# Altium PCB 2-quilter-output.PcbDoc (part 8 of 26)
Units mil, origin at the board's own origin, x right, y up, seen from the top; angles counter-clockwise.
Board outline 4130.55 x 4250 mil, 8 copper layers (L1, Ground L2, L3, Power L4, Ground L5, L6, Ground L7, L8), stack 62.985 mil thick; 591 components, 494 nets, 2245 pads, 1508 vias.
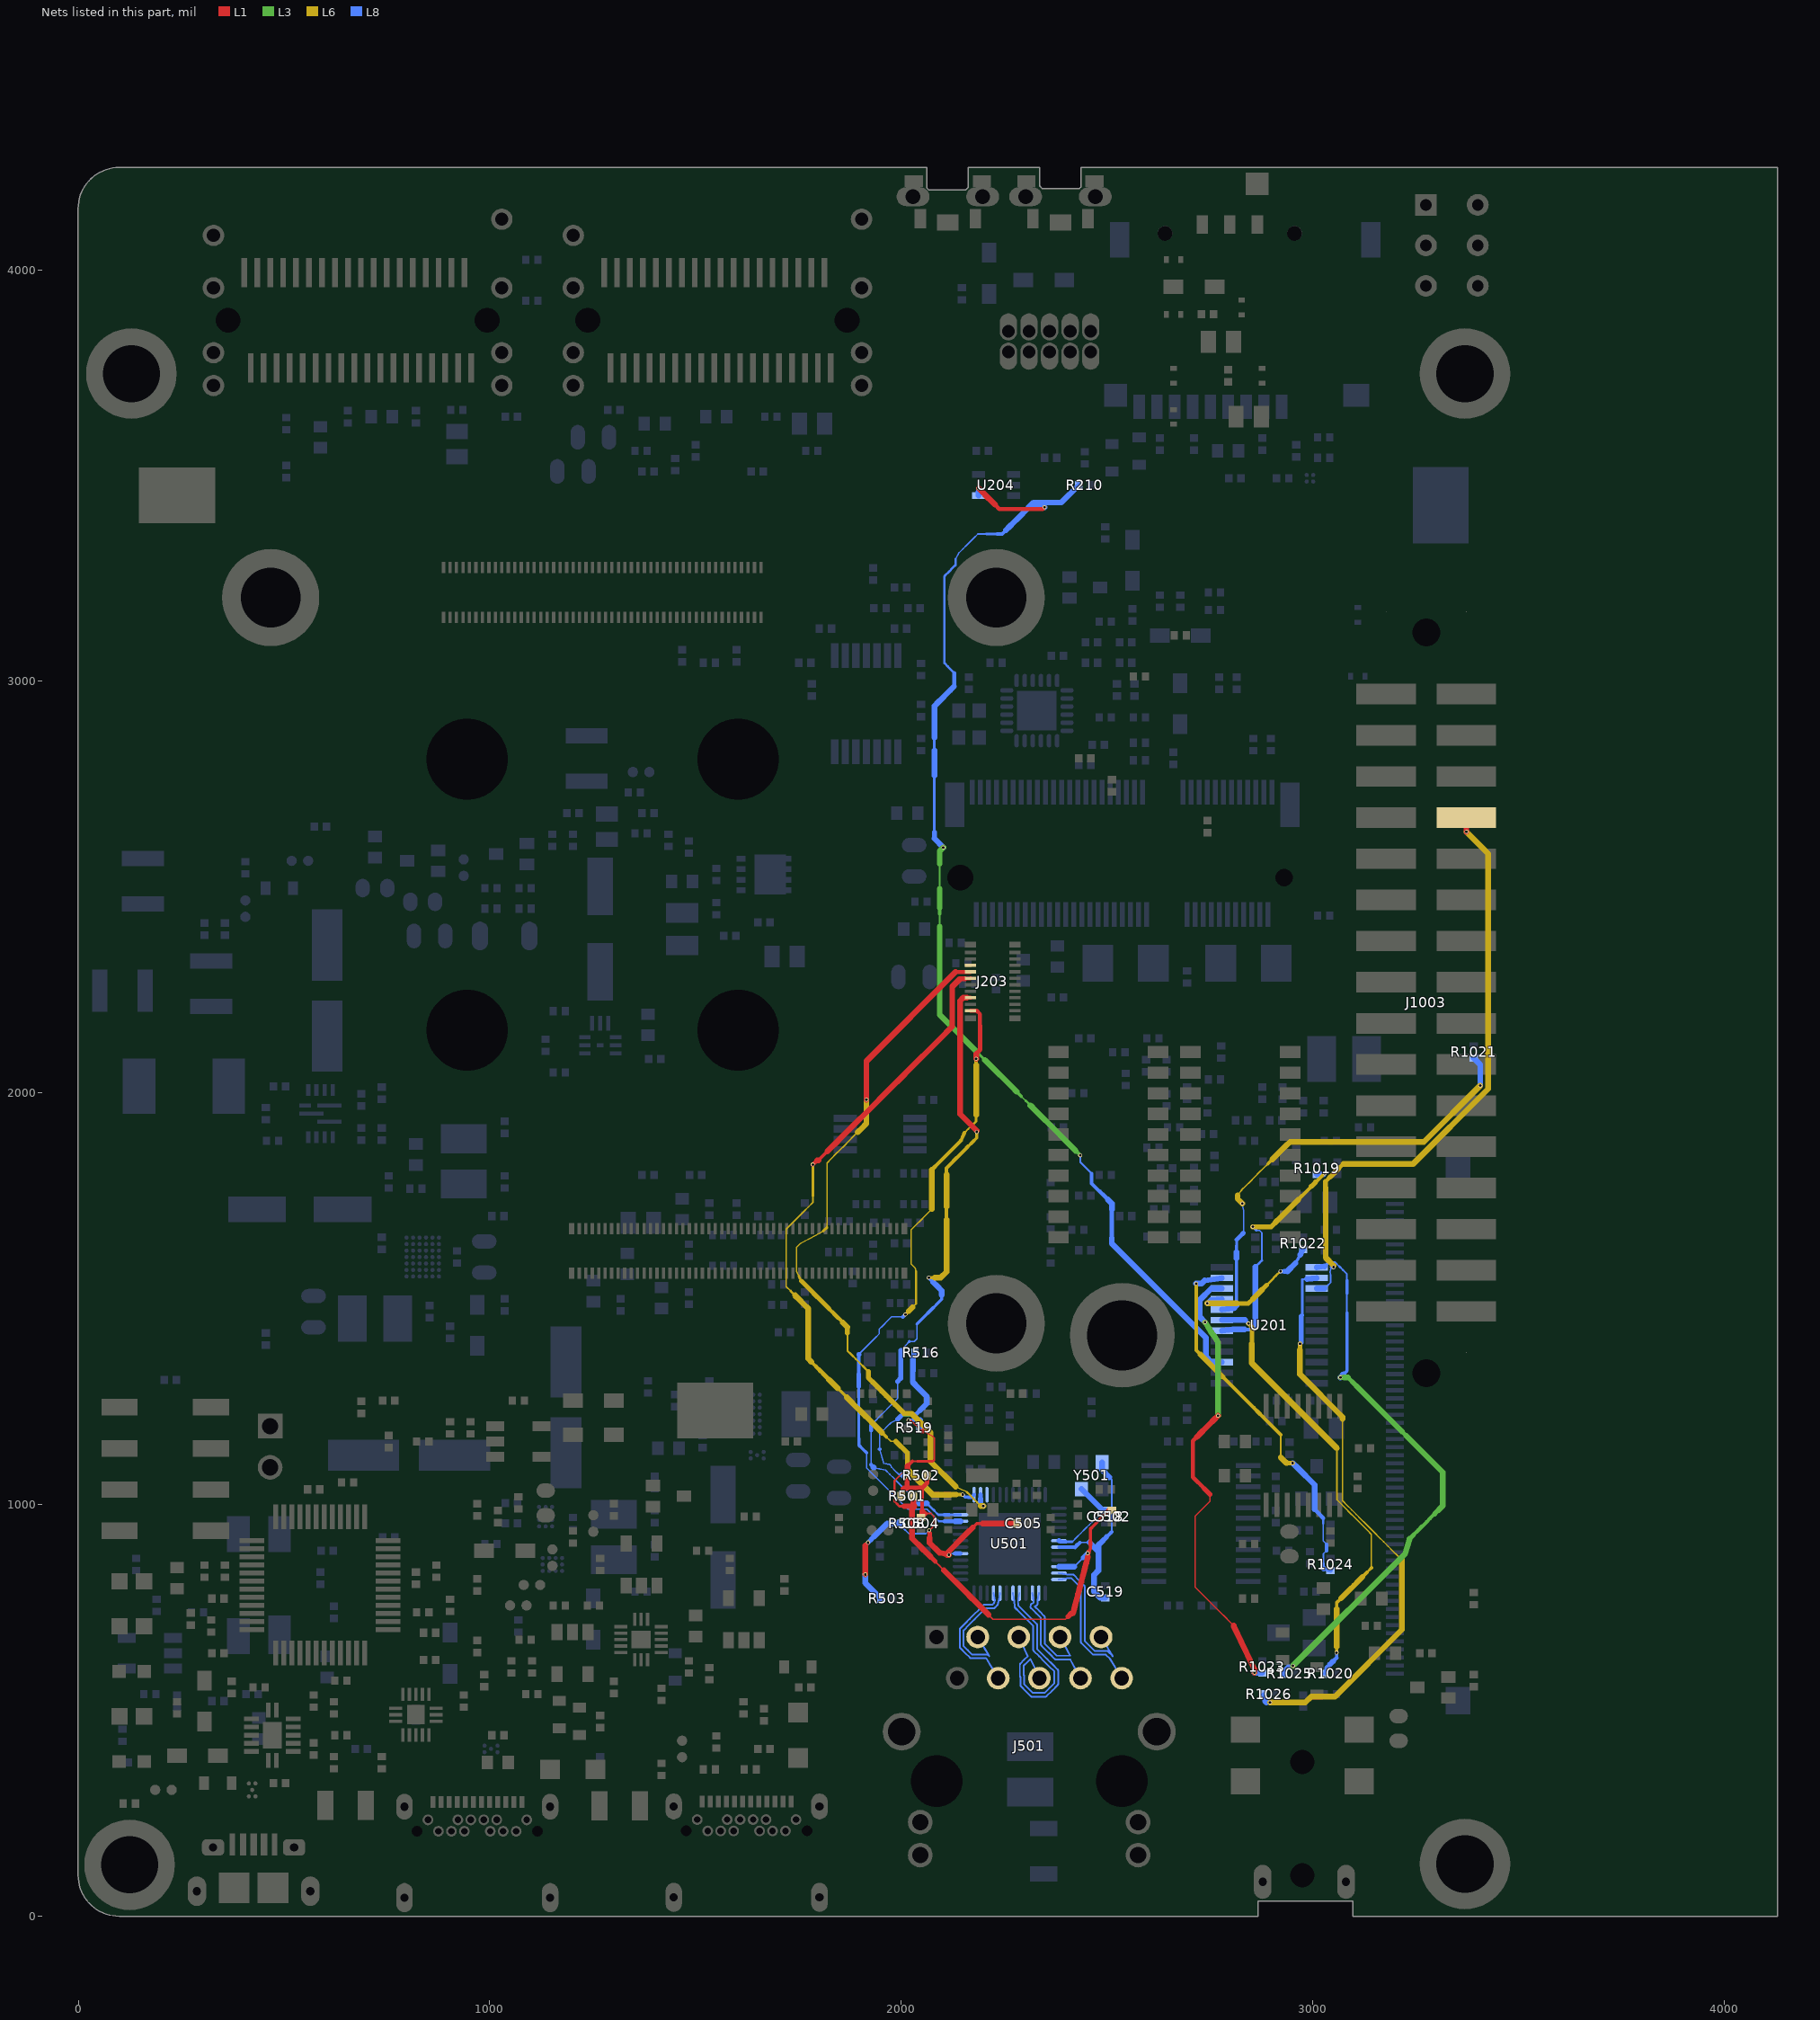
[diagram p14: the nets of this part, all layers, seen from the top]

## Via types
v1: diameter 9.85, hole 5.91, L1 to L8, tented both sides, 1508 vias

## Nets (pads, with @x,y where several pads share a name; then routed paths per layer and width w, separated by ;. In a path a pad name is that pad's centre, name@x,y a point inside that pad or via, vN(x,y) a via of type N, cw(c..) or ccw(c..) an arc to the next point about the centre after c; other vN are vias at no path point) (continued)
ENET_TD1: J203.11 U501.37 | length 1716
  L1 w7.92: 1799.08,1835.79 1809.88,1846.59 1820.73,1857.44
  L1 w9.96: v1(1785.59,1825.49) 1795.89,1835.79 ; J203.11@2155.84,2277.36 J203.11@2168.74,2278.14
  L1 w12.01: 2142.94,2276.59 J203.11@2155.84,2277.36
  L1 w14.05: 1795.89,1835.79 1799.08,1835.79 ; 1820.73,1857.44 1831.58,1868.29 1842.42,1879.13 1853.27,1889.98 1864.12,1900.83 1874.96,1911.68 1885.81,1922.52 1896.66,1933.37 1907.51,1944.22 1918.35,1955.06 1929.2,1965.91 1940.05,1976.76 1950.89,1987.61 1961.74,1998.45 1972.59,2009.3 1983.44,2020.15 1994.28,2030.99 2005.13,2041.84 2015.98,2052.69 2026.82,2063.54 2037.67,2074.38 2048.52,2085.23 2059.37,2096.08 2070.21,2106.92 2081.06,2117.77 2091.91,2128.62 2102.75,2139.47 2113.6,2150.31 2124.45,2161.16 2124.45,2258.09 2142.94,2276.59
  L6 w3.5: 1964.33,1163.56 1975.05,1152.84 1987.29,1152.84
  L6 w3.83: 1731.6,1518.39 1720.99,1529 1720.99,1544.56 1720.99,1560.1 1720.99,1575.65 1720.99,1591.19 1720.99,1606.74 1720.99,1622.29 1720.99,1637.83 1720.99,1653.38 1720.99,1668.93 1731.76,1679.69 1742.52,1690.46 1753.29,1701.22 1764.06,1711.99 1774.82,1722.76 1785.59,1733.52
  L6 w4.85: 1785.59,1733.52 1785.59,1748.85
  L6 w5.87: 1731.6,1518.39 1742.21,1507.77 ; 1785.59,1748.85 1785.59,1764.18 1785.59,1779.51 1785.59,1794.83 1785.59,1810.16 v1(1785.59,1825.49)
  L6 w6.9: 1846.39,1281.5 1857.11,1270.78 1867.83,1260.06
  L6 w7.92: 1782.06,1345.83 1792.78,1335.11 ; 1953.6,1174.29 1964.33,1163.56 ; 2134.62,1023.56 v1@2149.75,1023.56
  L6 w9.96: 1792.78,1335.11 1803.5,1324.39
  L6 w10.99: 1803.5,1324.39 1814.22,1313.67 1824.94,1302.95
  L6 w12.01: 1987.29,1152.84 1996.88,1143.25 2006.47,1133.67 2016.05,1124.08 2016.05,1109.93 2016.05,1095.79 2016.05,1083.67
  L6 w13.03: 2119.5,1023.56 2134.62,1023.56
  L6 w14.05: 1742.21,1507.77 1752.83,1497.16 1763.44,1486.55 1774.05,1475.94 1774.05,1353.85 1782.02,1345.88 ; 1824.94,1302.95 1835.66,1292.22 1846.39,1281.5 ; 1867.83,1260.06 1878.55,1249.34 1889.27,1238.62 1900,1227.89 1910.72,1217.17 1921.44,1206.45 1932.16,1195.73 1942.88,1185.01 1953.6,1174.29 ; 2016.05,1083.67 2076.17,1023.56 2089.26,1023.56 2104.38,1023.56 2119.5,1023.56
  L8 w7.92: v1(2149.75,1023.55) 2155.81,1017.49 2163.72,1017.49
  L8 w8.94: 2163.72,1017.49 2171.62,1017.49 U501.37@2177.44,1023.3
ENET_TD2: J203.13 U501.38 | length 1740
  L1 w9.96: 2132.89,2293.88 2144.84,2293.88 2156.79,2293.88 J203.13@2168.74,2293.89
  L1 w14.05: v1(1915.79,1983.2) 1915.79,2001.01 1915.79,2076.78 2132.89,2293.88
  L6 w3.5: 1745.76,1624.45 1754.69,1633.38 1766.46,1639.77 1778.23,1646.16 1790,1652.56 1801.77,1658.95 1810.72,1663.81 ; 1819.94,1673.04 1819.94,1686.1 1819.94,1700.45 1819.94,1714.79 1819.94,1729.14 1819.94,1743.49 1819.94,1757.83 1819.94,1772.18 1819.94,1786.52 1819.94,1800.87 1819.94,1815.22 1819.94,1829.56 ; 2132.95,1042.65 2146.15,1036.52 2159.34,1030.39
  L6 w3.83: 1745.76,1624.45 1745.76,1611.01 1745.76,1597.57 1745.76,1584.13 1745.76,1570.69 1745.76,1567 1751.5,1554.98 ; 1819.94,1829.56 1830.59,1840.21 1841.24,1850.86 1851.89,1861.51 1862.54,1872.16 1873.19,1882.81 1883.84,1893.46 1894.49,1904.11 ; 1869.63,1373.31 1869.63,1387.63 1869.63,1401.95
  L6 w4.85: 1869.63,1373.31 1879.77,1363.17 1889.91,1353.03 1900.06,1342.88 1910.2,1332.74 1920.34,1322.6 ; 1869.63,1401.95 1869.63,1416.26 ; 2159.34,1030.39 2167.92,1021.81 2176.5,1013.23 2185.08,1004.65 2193.66,996.06
  L6 w5.87: 1751.5,1554.98 1757.24,1542.96
  L6 w6.9: 1810.72,1663.81 1819.94,1673.04
  L6 w8.94: 1825.52,1474.69 1836.55,1463.66 ; 1847.57,1452.64 1858.6,1441.61
  L6 w9.96: 1836.55,1463.66 1847.57,1452.64
  L6 w10.99: 1757.24,1542.96 1759.35,1540.86 1770.38,1529.83 1781.41,1518.8 1792.44,1507.77 1803.46,1496.75 1814.49,1485.72 1825.52,1474.69
  L6 w12.01: 1869.63,1416.26 1869.63,1430.58 ; 1920.34,1322.6 1920.34,1307.75 1931.27,1296.82
  L6 w13.03: 1915.79,1968.76 v1(1915.79,1983.2) ; 1931.27,1296.82 1942.2,1285.9 1953.12,1274.97 1964.05,1264.04 1974.98,1253.11 1985.91,1242.19 1996.83,1231.26 2007.76,1220.32 2016.61,1220.32 2025.46,1220.32
  L6 w14.05: 1858.6,1441.61 1869.63,1430.58 ; 1894.49,1904.11 1905.14,1914.76 1914.46,1924.07 ; 1914.46,1924.08 1915.79,1925.41 1915.79,1939.86 1915.79,1954.31 1915.79,1968.76 ; 2025.46,1220.32 2071.39,1174.39 2071.39,1104.2 2132.94,1042.66 ; 2193.66,996.06 v1(2199.89,996.06)
  L8 w7.92: v1(2199.89,996.06) v1@2199.89,996.2
  L8 w8.94: 2193.17,1002.92 v1@2199.89,996.2
  L8 w10.99: U501.38@2193.17,1013.11 U501.38@2193.18,1023.3
  L8 w14.05: 2193.17,1002.92 U501.38@2193.17,1013.11
ENET_TD3: J203.15 U501.39
ENET_TX_CTL: J203.1 U501.34 | length 1565
  L1 w9.96: J203.1@2168.74,2199.4 2183.87,2199.39 2191.99,2191.27 2191.99,2176.85 2191.99,2162.42
  L1 w10.99: 2182.36,2095.1 2191.99,2104.73 2191.99,2119.15 2191.99,2133.57 2191.99,2148 2191.99,2162.42
  L1 w14.05: v1(2182.36,2083) 2182.36,2095.09
  L6 w3.5: 2036.42,1566.52 2034.11,1573.97 2024.84,1583.25 2024.84,1597.29 2024.84,1611.33 2024.84,1625.37 2024.84,1639.4 2024.84,1653.44 2024.84,1667.48 2035.96,1678.6 2047.08,1689.72 2058.2,1700.84 2069.32,1711.96 2074.71,1717.35
  L6 w3.83: 2154.12,1902.48 2163.53,1911.9 2172.95,1921.31
  L6 w4.85: 2027.83,1478.48 2036.42,1487.06 2036.42,1500.48 2036.42,1513.9 2036.42,1527.33 2036.42,1540.75 2036.42,1554.17 2036.42,1566.52
  L6 w5.87: 2172.95,1921.31 2182.36,1930.72 2182.36,1945.95
  L6 w7.92: v1(2010.67,1461.31) 2019.25,1469.89 ; 2182.36,2067.77 v1(2182.36,2083)
  L6 w8.94: 2083.02,1821.26 2091.33,1829.57 2102.22,1840.46 2113.11,1851.35 2124,1862.24 2134.89,1873.13 2145.78,1884.02 2149.95,1893.25 2154.12,1902.48
  L6 w9.96: 2074.71,1812.95 2083.02,1821.26
  L6 w14.05: 2019.25,1469.89 2027.83,1478.48 ; 2074.71,1717.35 2074.71,1812.95 ; 2182.36,1945.95 2182.36,1961.18 2182.36,1976.41 2182.36,1991.64 2182.36,2006.86 2182.36,2022.09 2182.36,2037.32 2182.36,2052.55 2182.36,2067.77
  L8 w3.5: 1897.89,1365.22 1907.6,1374.94 1917.32,1384.66 1927.04,1394.37 1936.76,1404.09 1946.47,1413.81 1946.47,1425.15 1956.51,1435.18 1966.54,1445.22 1976.58,1455.25 1990.59,1455.25 2004.61,1455.25 ; 1916.08,1125.27 1916.08,1112.96 1916.08,1100.65 1916.08,1088.34 1927.23,1077.19 1938.37,1066.05 1949.52,1054.9 1960.66,1043.76 1971.8,1032.61 1982.95,1021.47 1994.09,1010.33 2005.24,999.18 2016.38,988.04 2031.84,988.04 2047.29,988.04
  L8 w3.83: 2047.29,988.04 2062.75,988.04 2072.48,978.3 2082.21,968.57 2091.95,958.84
  L8 w5.87: 2091.95,958.84 2105.07,958.84
  L8 w6.9: 1897.37,1159.7 1897.37,1175.41 1897.37,1191.13 1897.37,1206.84 1897.37,1222.56 1897.37,1238.27 1897.37,1253.98 1897.37,1269.7 1897.37,1285.41
  L8 w7.92: 1897.37,1159.7 1897.37,1143.98 1906.72,1134.62 1916.08,1125.27
  L8 w8.94: 1897.37,1316.84 1897.37,1332.56 1897.37,1348.27 1897.37,1363.99 1897.89,1365.22 ; 2004.61,1455.25 v1(2010.67,1461.31)
  L8 w9.96: 2105.07,958.84 2118.2,958.84 U501.34@2131.32,958.84
  L8 w10.99: 1897.37,1285.41 1897.37,1301.13 1897.37,1316.84
  L8 w14.05: U501.34@2131.32,958.84 U501.34@2144.45,958.84
ENET_TXC: J203.5 U501.35 | length 1594.3
  L1 w8.94: v1(2184,1904.99) v1@2184,1907.98
  L1 w9.96: J203.5@2159.77,2230.89 J203.5@2168.74,2230.9
  L1 w14.05: J203.5@2159.77,2230.89 2150.8,2230.89 2143.79,2223.88 2143.79,1948.19 v1@2184,1907.98
  L6 w7.92: v1(2067.44,1550.4) 2081.76,1550.4 ; 2162.98,1869.65 2173.49,1880.17 2184,1890.68 v1(2184,1904.99)
  L6 w8.94: 2110.42,1691.6 2110.42,1707.28 2110.42,1722.97 ; 2110.42,1801.41 2110.42,1817.1 2120.93,1827.61 2131.44,1838.12 2141.96,1848.63 2152.47,1859.14 2162.98,1869.65
  L6 w14.05: 2081.76,1550.4 2096.09,1550.4 2110.42,1564.73 2110.42,1566.09 2110.42,1581.78 2110.42,1597.47 2110.42,1613.16 2110.42,1628.84 2110.42,1644.53 2110.42,1660.22 2110.42,1675.91 2110.42,1691.6 ; 2110.42,1722.97 2110.42,1738.66 2110.42,1754.35 2110.42,1770.04 2110.42,1785.73 2110.42,1801.41
  L8 w3.5: 1927.24,1192.81 1937.9,1203.47 1948.57,1214.14 1959.24,1224.81 1969.91,1235.48 1980.57,1246.14 1991.24,1256.81 1991.24,1270.64 1991.24,1284.47 1991.24,1298.29 ; 1933.94,1088.92 1947.9,1086.01 1962.46,1082.98 ; 1962.46,1082.97 1972.55,1072.88 1982.64,1062.8 1992.73,1052.71 2002.82,1042.62 2012.91,1032.53 2023,1022.44 2033.09,1012.35 2043.18,1002.26 ; 1999.05,1374.22 2009.64,1384.82 2020.23,1395.41 ; 2020.25,1395.44 2032.02,1395.44 2038.48,1401.9 2038.48,1413.89 2038.48,1425.89 2038.48,1437.88
  L8 w3.83: 1927.24,1095.86 1927.24,1109.71 1927.24,1123.56 1927.24,1137.41 1927.24,1151.26 1927.24,1165.11 1927.24,1178.96
  L8 w4.85: 2081.31,983.81 2090.53,974.59
  L8 w5.87: 2062.86,1002.26 2072.09,993.03 2081.31,983.81 ; 2090.53,974.59 2104.01,974.59 ; 2117.49,974.59 2130.97,974.59 U501.35@2144.45,974.59
  L8 w6.9: 2038.48,1437.88 2048.54,1447.93 2058.59,1457.99 ; 2078.69,1478.09 2088.75,1488.15
  L8 w7.92: 2058.59,1457.99 2068.64,1468.04 2078.69,1478.09 ; 2088.75,1488.15 2098.8,1498.2 2098.8,1508.62 ; 2104.01,974.59 2117.49,974.59
  L8 w8.94: v1(2067.44,1550.4) 2077.79,1540.04
  L8 w9.96: 1927.24,1095.86 1932.92,1090.18 ; 1927.24,1178.96 1927.24,1192.81
  L8 w12.01: 1991.24,1298.29 1999.05,1306.1 1999.05,1319.72 1999.05,1333.35 1999.05,1346.97 1999.05,1360.6 1999.05,1374.22
  L8 w13.03: 1932.92,1090.17 1932.92,1089.93 1933.94,1088.92
  L8 w14.05: 2043.18,1002.26 2062.86,1002.26 ; 2077.79,1540.04 2088.14,1529.69 2098.5,1519.33 2098.8,1519.03 2098.8,1508.62
ENET_VDDH_2V5: C502.1 R501.2 R519.2 U501.10 | length 1365.9
  L1 w3.5: 1984.02,1057.03 1992.51,1065.53 2001.01,1074.02 2009.5,1082.52 2015.6,1088.61 ; v1(2018.16,1204.46) 2023.33,1204.46 2032.3,1195.49 2041.27,1186.52 2050.24,1177.55 ; 2053.4,1177.55 2065.19,1171.38 2076.98,1165.22 2080.75,1161.45 2080.75,1148.02 2080.75,1134.6 2080.75,1121.17 2080.75,1107.75
  L1 w3.83: 2082.66,861.43 2093.5,850.59 ; 2212.69,731.4 2223.53,720.56 2238.2,720.56 2252.86,720.56 2267.53,720.56 2282.2,720.56 2296.86,720.56 2311.53,720.56 2326.2,720.56 2340.86,720.56 2355.53,720.56 2370.2,720.56 2384.86,720.56 2399.53,720.56 2406.08,727.1
  L1 w4.85: 1984.02,1007.14 1989.94,1001.22 ; 2027.32,1104.47 2039.87,1104.47 ; 2077.49,1104.47 2080.76,1107.74 ; 2093.5,850.59 2104.33,839.76 ; v1(2453.89,881.29) 2453.89,886.56 2459.89,892.55
  L1 w5.87: 1984.02,1007.14 1984.02,1019.62 1984.02,1032.09 1984.02,1044.56 1984.02,1057.03 ; 1989.94,1001.22 1995.86,995.3 2008.14,995.3 ; 2052.41,1104.47 2064.95,1104.47 2077.49,1104.47
  L1 w6.9: 2039.87,1104.47 2052.41,1104.47
  L1 w7.92: 2021.46,1098.61 2027.32,1104.47 ; 2457.97,887.45 2459.89,892.55 2459.89,900.77 ; 2459.89,908.98 2459.89,924.32 2459.89,939.65 2468.9,948.67 2477.92,957.69 2486.94,966.71 2495.96,975.73 C502.1@2504.97,984.74
  L1 w8.94: 2015.6,1092.74 2021.46,1098.61 ; 2453.99,872.28 2457.97,887.45
  L1 w9.96: 2459.89,900.77 2459.89,908.98
  L1 w10.99: 2050.24,1177.55 2053.4,1177.55 ; 2071.83,872.26 2082.66,861.43
  L1 w12.01: 2406.08,727.1 2412.61,733.64
  L1 w14.05: 2008.14,995.3 2020.41,995.3 2032.69,995.3 ; 2015.6,1088.61 2015.6,1092.74 ; 2026.87,917.22 2035.4,908.69 2043.93,900.16 2052.46,891.63 2060.99,883.1 2071.83,872.26 ; 2026.86,917.23 2026.86,989.47 2032.69,995.3 ; R501.2@2029.9,1019.79 2029.9,998.09 2032.69,995.3 ; 2104.33,839.76 2115.17,828.92 2126.01,818.09 2136.84,807.25 2147.68,796.41 2158.51,785.58 2169.35,774.74 2180.19,763.91 2191.02,753.07 2201.86,742.24 2212.69,731.4 ; 2412.61,733.64 2418.2,735.75 2422.17,750.92 2426.15,766.09 2430.13,781.26 2434.11,796.43 2438.08,811.6 2442.06,826.77 2446.04,841.94 2450.02,857.11 2453.99,872.28 ; C502.1@2504.97,984.74 C502.1@2512.8,984.74
  L8 w3.83: 2421.18,848.58 2432.08,859.49 2442.98,870.39
  L8 w7.92: v1(2018.16,1204.46) 2032.32,1204.46 2046.47,1204.46
  L8 w12.01: 2442.98,870.39 v1(2453.89,881.29)
  L8 w14.05: R519.2@2046.49,1185.8 2046.48,1204.45 ; U501.10@2383.64,848.59 2421.18,848.58
ENET_VDDIO: C504.1 C505.1 R501.1 R502.1 R503.1 R508.1 R516.2 U501.29 | length 1365.4
  L1 w3.83: 2057.93,977.6 2073.03,977.6 2079.63,971 2079.63,959.79 2079.63,949.15 2073.36,941.46 2068.2,930.4
  L1 w6.9: 2174.13,943.63 2183.88,953.39
  L1 w7.92: 2067.83,930.78 v1(2067.83,936.58) ; 2183.88,953.39 2197.95,953.39
  L1 w8.94: R501.1@2002.9,1028.22 2005.42,1036.63 ; 2051.6,983.63 2051.6,995.83 2051.6,1008.03 2051.6,1020.23 2051.6,1030.18 2051.6,1040.13
  L1 w9.96: 1912.74,900 v1(1919.63,906.89) ; 2067.83,930.78 2068.2,930.4 2069.48,929.57
  L1 w10.99: R501.1@2000.38,1019.79 R501.1@2002.9,1028.22 ; v1(2009.37,1065.16) 2014.08,1060.46 ; 2015.96,1040.13 2027.84,1040.13 2039.72,1040.13 2051.6,1040.13 2057.34,1045.88 2063.09,1051.63 R502.1@2063.09,1060.62 ; 2069.48,917.96 2069.48,929.57
  L1 w12.01: 2007.05,1038.26 2014.08,1038.26 ; 2014.08,1060.46 2014.08,1049.36 2014.08,1038.26 ; 2015.96,1040.13 2014.08,1038.26 ; C504.1@2048.52,968.19 2057.93,977.6
  L1 w14.05: v1(1912.74,829.38) 1912.74,900 ; 2005.42,1036.63 2007.05,1038.26 ; C504.1@2048.52,968.19 C504.1@2048.32,968.14 2051.6,971.43 2051.6,983.63 ; R502.1@2063.09,1060.62 R502.1@2063.08,1069.59 ; 2069.48,917.96 2069.48,906.34 2093.18,882.64 2109.66,879.15 ; v1(2115.88,877.21) 2111.6,877.21 2109.66,879.15 ; 2174.13,943.63 2164.38,933.88 2154.63,924.13 2109.66,879.15 ; 2197.95,953.39 2212.02,953.39 2226.1,953.39 2240.17,953.39 2254.24,953.39 2268.31,953.39 C505.1@2282.38,953.38
  L8 w3.5: 1992.03,1206.82 1983.52,1202.45 1975.04,1198.09 1966.03,1189.09 1957.02,1180.08 1948.02,1171.07 1948.02,1158.6 1948.02,1146.13 1948.02,1133.65 1951.16,1122.32 1954.29,1111 1957.43,1099.67 1972.36,1096.77 1975.01,1094.12 1976.81,1090.07 1985.63,1081.24 1993.67,1073.2 1994.78,1072.09 2002.45,1072.09 ; 2019.08,928.6 2032.67,928.6 2046.25,928.6 2059.84,928.6
  L8 w3.83: 2010.28,937.4 2019.08,928.6 ; 2059.84,928.6 v1(2067.83,936.58) ; v1(2115.88,877.21) 2118.77,880.1 U501.29@2131.61,880.1
  L8 w4.85: R508.1@2001.48,946.2 2010.28,937.4
  L8 w9.96: 1998.01,1212.8 2004,1218.79 2014.93,1218.79 2025.86,1218.79 2036.79,1218.79 2045.4,1227.39
  L8 w10.99: v1(1919.63,906.89) 1926.71,913.97 ; U501.29@2131.61,880.1 U501.29@2144.45,880.1
  L8 w12.01: 1926.71,913.97 1933.79,921.05 ; 1992.03,1206.82 1998.01,1212.8
  L8 w13.03: 2002.45,1072.09 v1(2009.37,1065.16) ; 2028.52,1296.79 2028.52,1310.47 2028.52,1324.18 ; 2045.4,1227.39 2054.01,1236
  L8 w14.05: v1(1912.74,829.38) 1912.74,808.63 R503.1@1950.61,770.76 ; 1933.8,921.05 1966.12,953.38 R508.1@2000.38,953.38 2001.48,951.54 R508.1@2001.48,946.2 ; 2028.52,1296.79 2041.38,1283.1 2062.62,1261.84 2062.62,1244.62 2054.01,1236 ; 2028.52,1324.18 2028.52,1337.89 2028.52,1351.6 R516.2@2033.56,1368.42
ENET_XTLI: C519.1 U501.7 Y501.3 | length 494.9
  L8 w3.5: 2506.28,1065.87 2512.13,1060.02 2512.13,1045.93 2512.13,1031.85 2512.13,1017.76 2512.13,1003.67 2512.13,989.58 2512.13,975.49 2512.13,961.4 2512.13,947.32 2512.13,933.23
  L8 w3.83: 2434.3,907.11 2446.28,907.11 2458.26,907.11
  L8 w7.92: U501.7@2383.64,895.84 2396.77,895.85 2409.9,895.85
  L8 w8.94: 2409.9,895.85 2423.03,895.85 ; 2428.66,901.48 2434.3,907.11 ; 2499.9,920.99 2510.05,931.15 2512.13,933.23
  L8 w9.96: 2423.03,895.85 2428.66,901.48
  L8 w12.01: 2489.75,910.84 2499.9,920.99
  L8 w14.05: 2458.26,907.11 2479.6,885.78 2479.6,875.86 ; Y501.3@2488.43,1102.08 2488.44,1083.7 2506.27,1065.87 ; 2489.75,910.84 2479.6,900.69 2479.6,875.86 ; C519.1@2496.21,772.6 2484.06,772.62 2468.99,787.68 2468.99,828.3 2479.6,838.91 2479.6,861.89 2479.6,875.86
ENET_XTLO: C518.1 U501.6 Y501.1 | length 222.9
  L8 w3.5: 2416.31,909.05 2426.64,919.37 2436.96,929.69 2447.28,940.01 2457.6,950.34 2467.92,960.66 2478.24,970.98 C518.1@2488.57,981.3
  L8 w6.9: U501.6@2401.24,909.05 2416.31,909.05
  L8 w7.92: U501.6@2383.64,911.58 2386.17,909.05 U501.6@2401.24,909.05
  L8 w8.94: C518.1@2488.57,981.3 C518.1@2496.21,984.74
  L8 w14.05: Y501.1@2438.43,1037.08 2486.3,989.2 C518.1@2496.21,984.74
ETH_TRX0_N: J501.10 U501.12 | length 338.2
  L8 w4.28: U501.12@2383.64,817.1 2393.16,818.72 2402.68,820.34 2414.19,820.34 2425.53,808.99 2436.88,797.64 2436.88,778.85 2436.88,760.07 2436.88,741.28 2436.88,722.49 2436.88,703.7 2436.88,684.91 2436.88,666.13 2436.88,666 2436.89,665.88 2436.9,665.76 2436.91,665.64 2436.92,665.52 2436.94,665.4 2436.96,665.28 2436.99,665.16 2437.01,665.04 2437.04,664.92 2437.08,664.8 2437.11,664.69 2437.15,664.57 2437.19,664.46 2437.24,664.34 2437.29,664.23 2437.34,664.12 2437.39,664.01 2437.45,663.9 2437.51,663.8 2437.57,663.69 2437.64,663.59 2437.71,663.49 2437.78,663.39 2437.85,663.29 2437.93,663.2 2438,663.1 2438.08,663.01 2438.17,662.92 2438.24,662.84 2447.27,653.82 2456.29,644.79 2465.32,635.77 2465.4,635.68 2465.49,635.6 2465.59,635.52 2465.68,635.44 2465.77,635.37 2465.87,635.3 2465.97,635.22 2466.07,635.16 2466.18,635.09 2466.28,635.03 2466.39,634.97 2466.5,634.91 2466.61,634.86 2466.72,634.81 2466.83,634.76 2466.94,634.72 2467.06,634.67 2467.17,634.63 2467.29,634.6 2467.41,634.57 2467.52,634.54 2467.64,634.51 2467.76,634.49 2467.88,634.47 2468,634.45 2468.12,634.43 2468.25,634.42 2468.37,634.42 2468.49,634.41 2468.6,634.41 2483.16,634.41 2497.73,634.41 2507.98,624.16 2517.41,608.59 2526.83,593.01 J501.10@2536.26,577.44
ETH_TRX0_P: J501.9 U501.11 | length 345.7
  L8 w4.28: U501.11@2383.64,832.84 2393.16,831.23 2402.68,829.62 2416.11,829.62 2416.21,829.62 2416.34,829.61 2416.46,829.61 2416.58,829.6 2416.7,829.58 2416.82,829.57 2416.94,829.54 2417.06,829.52 2417.18,829.49 2417.3,829.46 2417.42,829.43 2417.53,829.4 2417.65,829.36 2417.76,829.32 2417.88,829.27 2417.99,829.22 2418.1,829.17 2418.21,829.12 2418.32,829.06 2418.42,829 2418.53,828.94 2418.63,828.87 2418.73,828.81 2418.83,828.74 2418.93,828.66 2419.03,828.59 2419.12,828.51 2419.21,828.43 2419.3,828.35 2419.39,828.26 2432.1,815.55 2444.8,802.85 2444.88,802.77 2444.96,802.68 2445.04,802.59 2445.12,802.49 2445.2,802.4 2445.27,802.3 2445.34,802.2 2445.41,802.1 2445.47,802 2445.54,801.89 2445.6,801.79 2445.65,801.68 2445.71,801.57 2445.76,801.46 2445.81,801.35 2445.85,801.23 2445.89,801.12 2445.93,801 2445.97,800.89 2446,800.77 2446.03,800.65 2446.06,800.53 2446.09,800.41 2446.11,800.29 2446.12,800.17 2446.14,800.05 2446.15,799.93 2446.16,799.81 2446.16,799.69 2446.16,799.56 2446.16,780.78 2446.16,761.99 2446.16,743.2 2446.16,724.41 2446.16,705.62 2446.16,686.84 2446.16,668.05 2458.34,655.87 2470.52,643.69 2485.08,643.69 2499.65,643.69 2499.76,643.69 2499.88,643.68 2500,643.68 2500.12,643.67 2500.24,643.65 2500.36,643.64 2500.48,643.62 2500.6,643.59 2500.72,643.57 2500.84,643.53 2500.96,643.5 2501.08,643.47 2501.19,643.43 2501.31,643.39 2501.42,643.34 2501.53,643.29 2501.64,643.24 2501.75,643.19 2501.86,643.13 2501.97,643.07 2502.07,643.01 2502.17,642.94 2502.28,642.88 2502.37,642.81 2502.47,642.73 2502.57,642.66 2502.66,642.58 2502.75,642.5 2502.84,642.42 2502.93,642.33 2514.54,630.72 2505.11,646.29 2495.69,661.87 J501.9@2486.26,677.44
ETH_TRX1_N: J501.8 U501.15 | length 278.2
  L8 w4.28: 2315.05,754.8 2314.57,751.42 2314.55,751.3 2314.54,751.18 2314.53,751.06 2314.52,750.93 2314.52,750.81 2314.52,750.69 2314.52,750.57 2314.53,750.45 2314.54,750.32 2314.55,750.2 2314.57,750.08 2314.59,749.96 2314.61,749.84 2314.64,749.72 2314.67,749.6 2314.7,749.49 2314.74,749.37 2314.77,749.25 2314.81,749.14 2314.86,749.03 2314.91,748.91 2314.96,748.8 2315.01,748.69 2315.06,748.58 2315.12,748.48 2315.18,748.37 2315.25,748.27 2315.32,748.17 2315.39,748.07 2315.46,747.97 2315.53,747.87 2315.61,747.78 2315.69,747.68 2315.77,747.59 2315.86,747.51 ; 2315.05,754.83 2315.07,754.95 2315.1,755.07 2315.12,755.19 2315.15,755.31 2315.18,755.42 2315.22,755.54 2315.26,755.66 2315.3,755.77 2315.34,755.88 2315.39,756 2315.44,756.11 2315.49,756.22 2315.55,756.33 2315.61,756.43 2315.67,756.54 2315.74,756.64 2315.8,756.74 2315.87,756.84 2315.94,756.94 2316.02,757.04 2316.1,757.13 2316.18,757.22 2316.26,757.31 2316.34,757.4 2316.43,757.49 2316.52,757.57 2316.61,757.65 2316.7,757.73 2316.8,757.81 2316.9,757.88 2317,757.95 2317.1,758.02 2317.2,758.08 2317.3,758.15 2317.41,758.21 2322.45,760.97 2322.41,765.03 2320.79,774.57 U501.15@2319.17,784.12 ; 2315.88,747.48 2327.93,735.43 2339.99,723.38 2339.99,707.39 2339.99,691.4 2339.99,675.41 2339.99,659.43 2339.99,659.3 2339.99,659.18 2340,659.06 2340.01,658.94 2340.03,658.82 2340.04,658.7 2340.06,658.58 2340.09,658.46 2340.11,658.34 2340.14,658.22 2340.18,658.1 2340.21,657.99 2340.25,657.87 2340.3,657.76 2340.34,657.64 2340.39,657.53 2340.44,657.42 2340.49,657.31 2340.55,657.2 2340.61,657.1 2340.67,656.99 2340.74,656.89 2340.81,656.79 2340.88,656.69 2340.95,656.59 2341.03,656.5 2341.11,656.4 2341.19,656.31 2341.27,656.22 2341.34,656.14 2352.01,645.48 2362.67,634.82 2373.33,624.16 2373.42,624.07 2373.51,623.99 2373.6,623.91 2373.69,623.83 2373.79,623.76 2373.88,623.69 2373.98,623.62 2374.09,623.55 2374.19,623.48 2374.29,623.42 2374.4,623.36 2374.51,623.3 2374.62,623.25 2374.73,623.2 2374.84,623.15 2374.95,623.11 2375.07,623.06 2375.18,623.03 2375.3,622.99 2375.42,622.96 2375.54,622.93 2375.65,622.9 2375.77,622.88 2375.89,622.86 2376.02,622.84 2376.14,622.83 2376.26,622.81 2376.38,622.81 2376.5,622.8 2376.61,622.8 2393.93,622.8 2411.26,622.8 2419.59,607.68 2427.93,592.56 J501.8@2436.26,577.44